# Altium PCB Power Distribution Board.PcbDoc (part 3 of 3)
Units mil, origin at the board's own origin, x right, y up, seen from the top; angles counter-clockwise.
Board outline 7086.61 x 4330.71 mil, 4 copper layers (Top Layer, L2 - GND, L3 - POWER, Bottom Layer), stack 23.756 mil thick; 250 components, 142 nets, 721 pads, 450 vias.
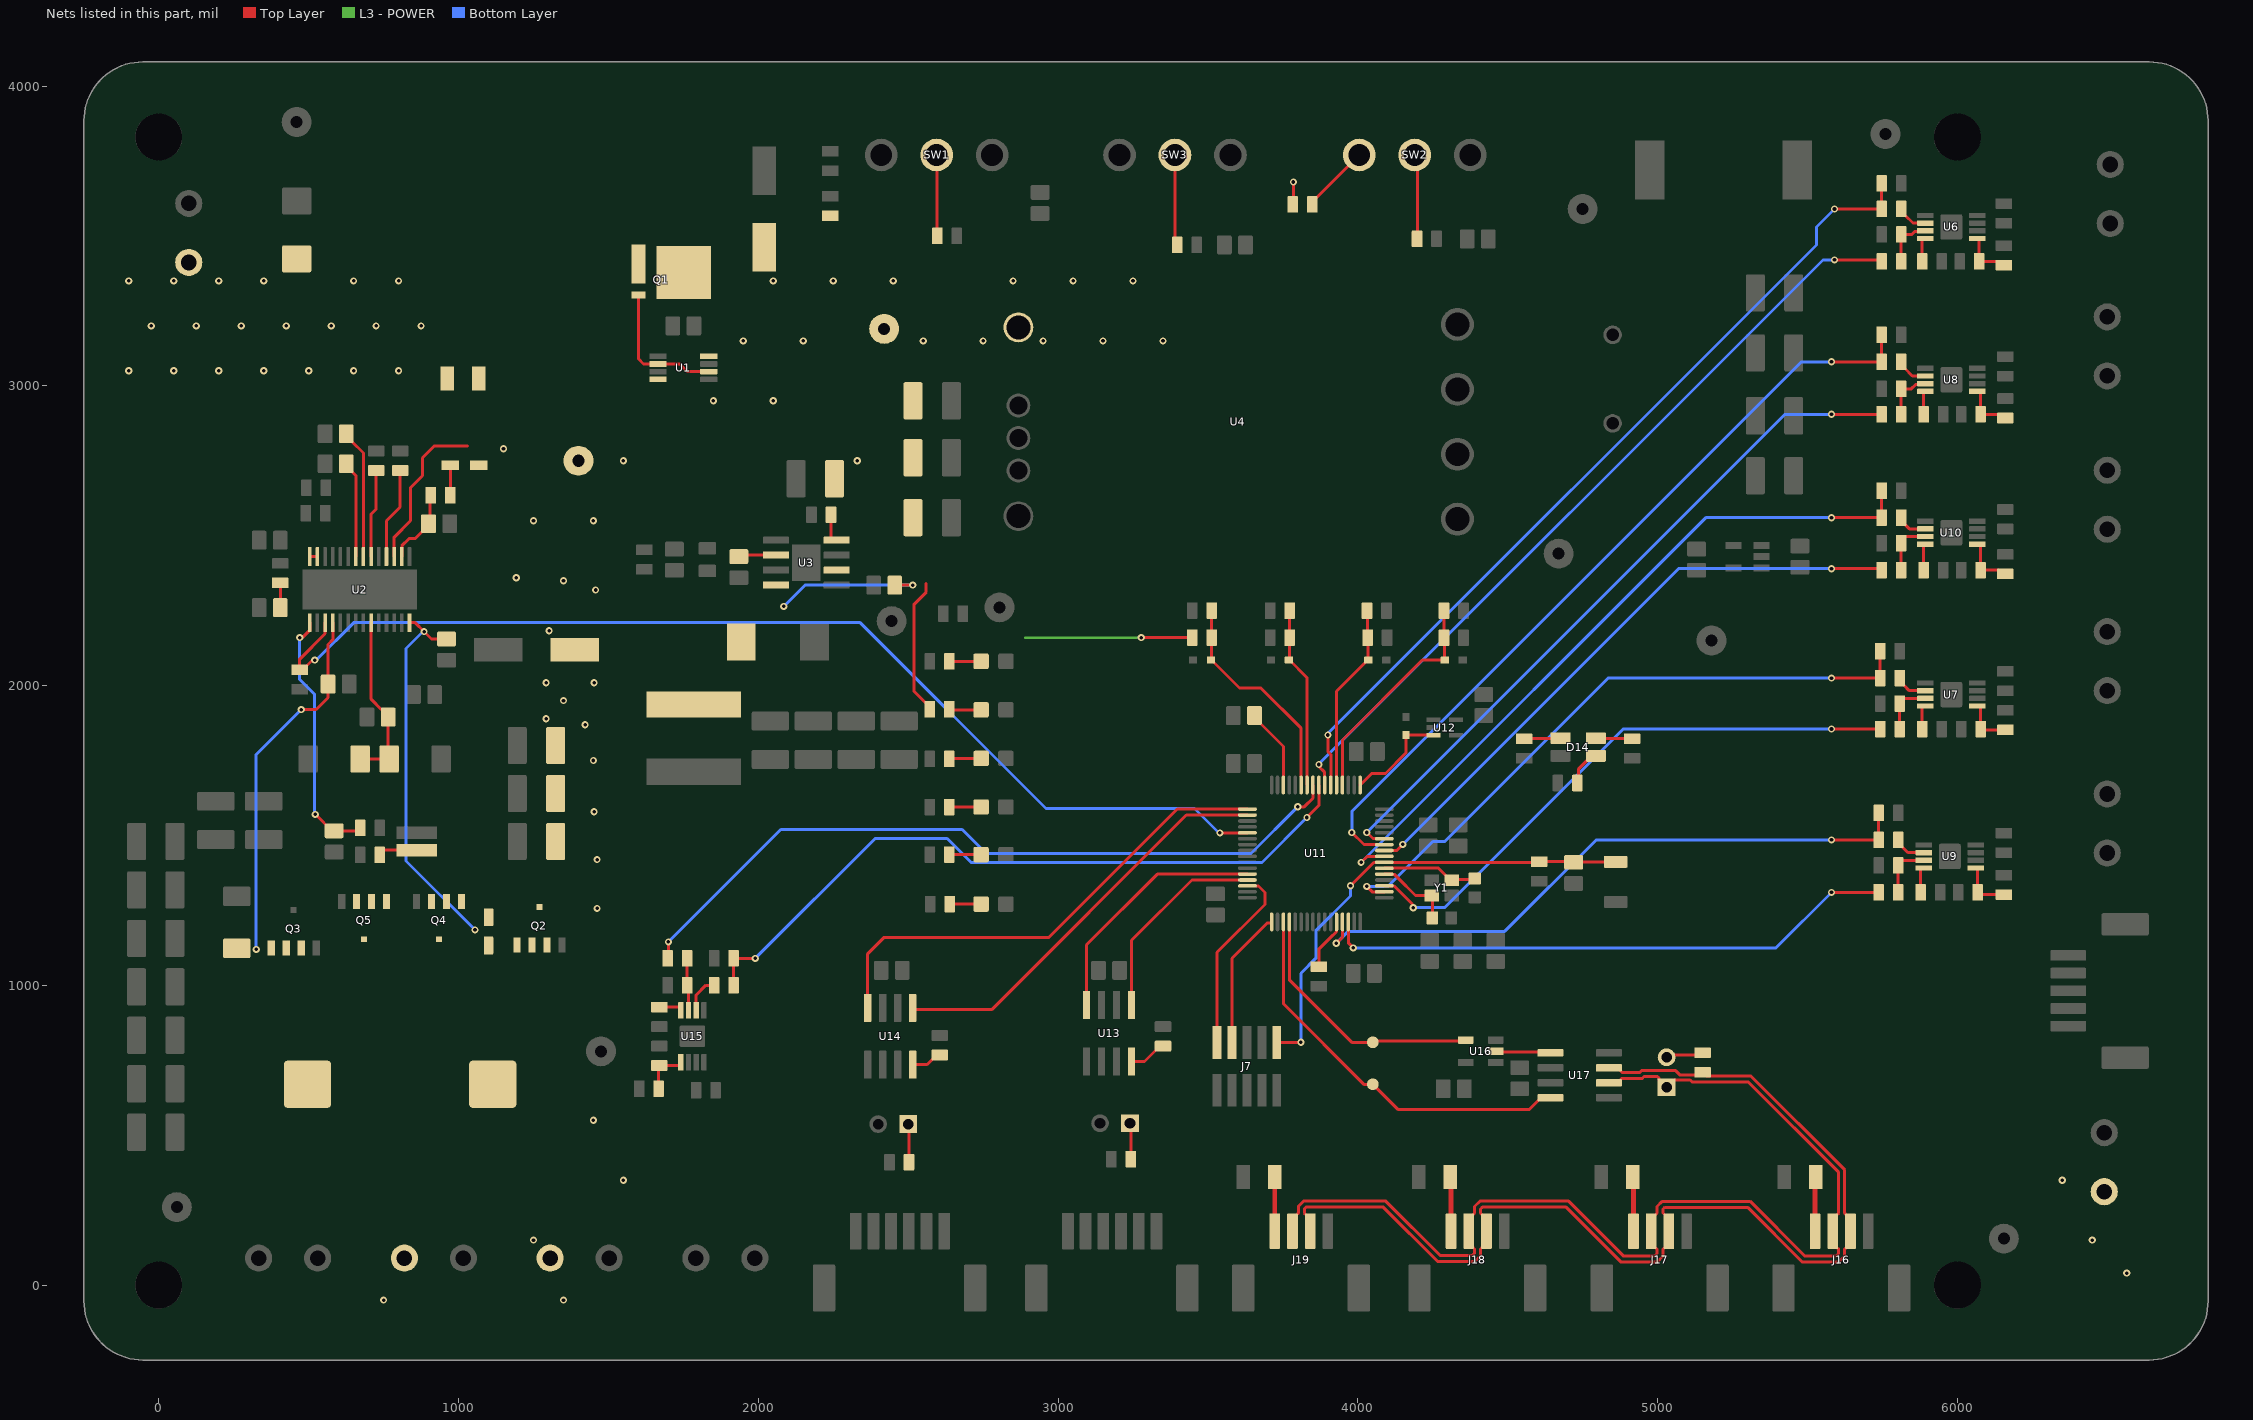
[diagram p5: the nets of this part, all layers, seen from the top]

## Via types
v1: diameter 24, hole 12, Top Layer to Bottom Layer, tented both sides, 444 vias
v2: diameter 24.8, hole 12.99, Top Layer to Bottom Layer, 6 vias

## Nets (pads, with @x,y where several pads share a name; then routed paths per layer and width w, separated by ;. In a path a pad name is that pad's centre, name@x,y a point inside that pad or via, vN(x,y) a via of type N, cw(c..) or ccw(c..) an arc to the next point about the centre after c; other vN are vias at no path point) (continued)
NetC18_2: C18.2 R14.2 U2.15 | length 853.9
  Top Layer w10: v1(470,2160) 472.68,2162.68 482.17,2162.68 503.66,2184.17 U2.15@503.66,2209.76 ; v1(521.64,1570.2) 523.15,1570.2 578.11,1515.24 C18.2@585,1515.24 R14.2@672.28,1515.24
  Bottom Layer w10: v1(470,2160) 470,2020 520,1970 520,1571.84 v1(521.64,1570.2)
NetC20_2: C20.2 D7.1 D8.1 U2.23 | length 578.3
  Top Layer w10: D8.1@671.61,1755 D7.1@768.39,1755 765.24,1758.15 C20.2@765.24,1895 765.24,1900.89 745.63,1920.5 742.29,1920.5 708.39,1954.4 U2.23@708.39,2209.76
NetC22_2: C22.2 R12.1 | length 82.6
  Top Layer w10: R12.1@405,2342.52 405.24,2342.28 C22.2@405.24,2260
NetC25_2: C25.2 U2.7 | length 433.6
  Top Layer w10: C25.2@625.24,2840 625.24,2833.11 643.84,2814.5 682.8,2775.55 U2.7@682.8,2430.24
NetC26_2: C26.2 U2.8 | length 323
  Top Layer w10: C26.2@625.24,2740 625.24,2733.11 643.84,2714.5 657.2,2701.14 U2.8@657.2,2430.24
NetC56_2: C56.2 U11.6 Y1.1 | length 321
  Top Layer w10: U11.6@4088.35,1390.79 4268.7,1390.79 4294.86,1364.63 4294.86,1364.28 4308.54,1350.59 Y1.1@4313.46,1350.59 4316.42,1353.54 4387.05,1353.54 C56.2@4390,1356.5
NetC57_2: C57.2 U11.5 Y1.3 | length 263.1
  Top Layer w10: U11.5@4088.35,1371.1 4088.69,1370.76 4115.56,1370.76 4116,1370.32 4121.77,1370.32 4132.84,1359.25 4192.68,1299.41 Y1.3@4246.54,1299.41 4248.5,1297.44 C57.2@4248.5,1225
NetC59_2: C59.2 U11.30 | length 271.6
  Top Layer w10: C59.2@3655.24,1900 3655.24,1893.11 3751.73,1796.61 U11.30@3751.73,1668.35
NetD2_1: D2.1 R1.1 | length 107
  Top Layer w10: R1.1@2637.03,1921 2639.03,1919 D2.1@2743.21,1919
NetD3_2: D3.2 R5.2 | length 100.1
  Top Layer w10: R5.2@972.48,2635 972.48,2734.72 D3.2@972.76,2735
NetD5_1: D5.1 R3.1 | length 106.9
  Top Layer w10: R3.1@2637.03,1755.15 2638.88,1757 D5.1@2743.21,1757
NetD10_1: D10.1 R16.1 | length 106.3
  Top Layer w10: R16.1@2637.03,1594.72 2637.3,1595 D10.1@2743.21,1595
NetD11_1: D11.1 R22.1 | length 106.2
  Top Layer w10: R22.1@2637.03,1436 D11.1@2743.21,1436
NetD12_1: D12.1 R25.1 | length 106.2
  Top Layer w10: R25.1@2637.03,2081 D12.1@2743.21,2081
NetD13_1: D13.1 R26.1 | length 104.7
  Top Layer w10: R26.1@2638.52,1271 D13.1@2743.21,1271
NetD14_1: D14.1 R68.2 | length 121.8
  Top Layer w10: R68.2@4555,1822.48 4556.02,1823.5 4674.92,1823.5 D14.1@4675.94,1824.53
NetD14_2: D14.2 R69.1 | length 121.8
  Top Layer w10: D14.2@4794.06,1824.53 4795.08,1823.5 4913.98,1823.5 R69.1@4915,1822.48
NetD14_3: D14.3 R67.1 | length 124
  Top Layer w10: R67.1@4732.48,1675 4735.36,1677.88 4735.36,1720.56 4780.28,1765.47 D14.3@4794.06,1765.47
NetD16_1: D16.1 R85.1 R88.2 U11.20 | length 768.1
  Top Layer w10: U11.20@3948.58,1668.35 3948.58,1818.58 4215,2085 D16.1@4290.08,2085 4288.8,2086.28 4288.8,2158.72 R85.1@4287.52,2160 R88.2@4287.52,2250
NetD17_1: D17.1 R84.1 R89.2 U11.21 | length 618.7
  Top Layer w10: U11.21@3928.9,1668.35 3928.9,1980.79 4033.11,2085 D17.1@4035.08,2085 4033.8,2086.28 4033.8,2158.72 R84.1@4032.52,2160 4031.52,2161 4031.52,2239 R89.2@4030.51,2240
NetD18_1: D18.1 R86.1 R90.2 U11.26 | length 608.9
  Top Layer w10: R90.2@3772.48,2250 R86.1@3772.48,2160 3771.2,2158.72 3771.2,2086.28 D18.1@3769.92,2085 3771.89,2085 3830,2026.89 3830,1718.43 3830.47,1717.96 U11.26@3830.47,1668.35
NetD19_1: D19.1 R87.1 R91.2 U11.27 | length 721.7
  Top Layer w10: R91.2@3512.48,2250 R87.1@3512.48,2160 3511.2,2158.72 3511.2,2086.28 D19.1@3509.92,2085 3511.89,2085 3605.09,1991.8 3676.45,1991.8 3810.79,1857.47 U11.27@3810.79,1696.89
NetF1_2: F1.2 Q1.1 U1.4
NetF2_1: F2.1 J16.1 | length 181.2
  Top Layer w10: F2.1@5525.31,357.82 F2.1@5527.5,360
  Top Layer w16: J16.1@5525.31,179.75 F2.1@5525.31,357.82
NetF3_1: F3.1 J17.1 | length 181.1
  Top Layer w10: F3.1@4917.5,360 F3.1@4919.49,358.01
  Top Layer w16: J17.1@4919.49,179.75 F3.1@4919.49,358.01
NetF4_1: F4.1 J18.1 | length 181.4
  Top Layer w10: F4.1@4307.5,360 F4.1@4310.94,356.56
  Top Layer w16: J18.1@4310.94,180 F4.1@4310.94,356.56
NetF5_1: F5.1 J19.1 | length 184
  Top Layer w10: F5.1@3722.83,350.33 F5.1@3732.5,360
  Top Layer w16: J19.1@3722.83,180 F5.1@3722.83,350.33
NetH1_1: H1.1 R72.2 | length 121
  Top Layer w10: H1.1@3240,540 3242.48,537.52 R72.2@3242.48,420
NetH2_1: H2.1 R74.2 | length 128.2
  Top Layer w10: H2.1@2499.76,537.09 2502.48,534.37 R74.2@2502.48,410
NetH3_2: H3.2 R92.2 | length 126.4
  Top Layer w10: H3.2@5030,760 5037.74,767.74 5142.26,767.74 R92.2@5150,775.47
NetQ1_4: Q1.4 U1.2 U1.6 | length 464.9
  Top Layer w10: Q1.4@1600.75,3302.83 1600.75,3089.25 1617.2,3072.8 1738.28,3072.8 1763.87,3047.2 U1.6@1834.65,3047.2
NetR9_1: R9.1 SW1.2 | length 271.1
  Top Layer w10: SW1.2@2594.96,3770 2596.24,3768.72 2596.24,3501.28 R9.1@2597.52,3500
NetR11_1: R11.1 U2.17 U11.37 | length 3733.8
  Top Layer w10: v1(520,2085) 517.32,2082.32 509.68,2082.32 479.84,2052.48 R11.1@470,2052.48 ; U2.17@554.84,2209.76 554.75,2209.67 554.75,2172.94 470,2088.2 R11.1@470,2062.32 ; v1(3539.73,1508.55) 3631.31,1508.55 U11.37@3631.65,1508.9 ; R11.1@470,2052.48 R11.1@470,2062.32 ; R11.1@470,2052.48 460.16,2052.48 R11.1@470,2062.32
  Bottom Layer w10: v1(520,2085) 525,2085 650,2210 2340,2210 2960,1590 3455,1590 3536.45,1508.55 v1(3539.73,1508.55)
NetR13_2: R13.2 U2.4 | length 306.1
  Top Layer w10: U2.4@759.57,2430.24 759.57,2549.57 805,2595 R13.2@805,2717.52
NetR15_2: R15.2 U2.6 | length 294.2
  Top Layer w10: U2.6@708.39,2430.24 708.39,2572.41 725,2589.03 R15.2@725,2717.52
NetR20_1: R20.1 SW2.3 | length 228
  Top Layer w10: R20.1@3843.72,3608.76 SW2.3@4004.96,3770
NetR21_1: R21.1 SW2.2 | length 277.3
  Top Layer w10: SW2.2@4190,3770 4198.76,3761.24 R21.1@4198.76,3508.76 ; R21.1@4198.76,3498.76 R21.1@4207.52,3490
NetR23_1: R23.1 SW3.2 | length 303.1
  Top Layer w10: SW3.2@3390,3770 3390,3477.52 R23.1@3397.52,3470
NetR28_1: R28.1 R37.2 U6.5 | length 168.5
  Top Layer w10: U6.5@6066.61,3491.61 6069.62,3491.61 6072.48,3488.76 R37.2@6072.48,3415 6132.68,3415 6145.16,3402.52 R28.1@6155,3402.52
NetR29_1: R29.1 R33.1 U6.3 | length 176
  Top Layer w10: R33.1@5812.48,3415 R29.1@5812.48,3505 5848.2,3505 5857.67,3514.47 5890.65,3514.47 U6.3@5893.39,3517.2
NetR31_1: R31.1 R39.2 U7.5 | length 169.4
  Top Layer w10: U7.5@6066.61,1931.61 6074.62,1931.61 6077.48,1928.76 R39.2@6077.48,1855 6079.96,1852.52 R31.1@6160,1852.52
NetR32_1: R32.1 R34.1 U7.3 | length 181.2
  Top Layer w10: R34.1@5807.48,1855 R32.1@5807.48,1940 5807.48,1945.49 5819.2,1957.2 U7.3@5893.39,1957.2
NetR33_2: R33.2 U11.23 | length 2654.1
  Top Layer w10: v1(3870,1736.57) 3870.78,1735.78 3870.78,1729.41 3889.53,1710.66 U11.23@3889.53,1668.35 ; v1(5590,3420) 5742.52,3420 R33.2@5747.52,3415
  Bottom Layer w10: v1(3870,1736.57) 3870,1738.18 5551.82,3420 v1(5590,3420)
NetR34_2: R34.2 U11.3 | length 1934.8
  Top Layer w10: U11.3@4088.35,1331.73 4088.69,1331.39 4121.33,1331.39 4182.32,1270.4 4182.32,1261.54 v1(4185,1258.86) ; v1@5583.79,1850 5588.79,1855 R34.2@5742.52,1855
  Bottom Layer w10: v1(4185,1258.86) 4288.86,1258.86 4885,1855 v1(5580,1855)
NetR35_1: R35.1 R41.2 U11.22 | length 2868.7
  Top Layer w10: v1(3900,1835) 3900,1780 3910,1770 3910,1696 3909.56,1695.56 3909.56,1668.69 U11.22@3909.21,1668.35 ; v1(5590,3590) R35.1@5747.52,3590 R41.2@5747.52,3675
  Bottom Layer w10: v1(3900,1835) 3900,1840 5530,3470 5530,3530 v1(5590,3590)
NetR35_2: R35.2 U6.2 | length 106.2
  Top Layer w10: R35.2@5812.48,3590 5812.48,3580.16 5825.2,3567.44 5827.22,3567.44 5851.86,3542.8 U6.2@5893.39,3542.8
NetR36_1: R36.1 R42.2 U11.2 | length 2156.2
  Top Layer w10: v1(4030,1330) 4047.95,1312.05 U11.2@4088.35,1312.05 ; v1(5580,2025) R36.1@5742.52,2025 5742.52,2030 R42.2@5742.52,2115
  Bottom Layer w10: v1(4030,1330) 4100,1330 4250,1480 4290,1480 4835,2025 v1(5580,2025)
NetR36_2: R36.2 U7.2 | length 109.2
  Top Layer w10: R36.2@5807.48,2025 5807.48,2015.16 5820.2,2002.44 5839.84,1982.8 U7.2@5893.39,1982.8
NetR38_2: R38.2 U6.4 | length 85.8
  Top Layer w10: R38.2@5882.52,3415 5882.52,3488.76 5885.38,3491.61 U6.4@5893.39,3491.61
NetR40_2: R40.2 U7.4 | length 85.8
  Top Layer w10: R40.2@5882.52,1855 5882.52,1928.76 5885.38,1931.61 U7.4@5893.39,1931.61
NetR44_1: R44.1 R53.2 U8.5 | length 173.5
  Top Layer w10: U8.5@6066.61,2981.61 6074.62,2981.61 6077.48,2978.76 R53.2@6077.48,2905 6137.68,2905 6150.16,2892.52 R44.1@6160,2892.52
NetR45_1: R45.1 R49.1 U8.3 | length 173
  Top Layer w10: R49.1@5812.48,2905 R45.1@5812.48,2990 5846.33,2990 5860.81,3004.47 5890.65,3004.47 U8.3@5893.39,3007.2
NetR47_1: R47.1 R55.2 U9.5 | length 176.4
  Top Layer w10: U9.5@6061.61,1391.61 6064.62,1391.61 6067.48,1388.76 R55.2@6067.48,1310 6074.96,1302.52 R47.1@6155,1302.52
NetR48_1: R48.1 R50.1 U9.3 | length 186.2
  Top Layer w10: R50.1@5802.48,1310 R48.1@5802.48,1400 5802.48,1405.49 5814.2,1417.2 U9.3@5888.39,1417.2
NetR49_2: R49.2 U11.11 | length 2371.4
  Top Layer w10: v1(4030,1510) 4050.44,1489.56 4088,1489.56 U11.11@4088.35,1489.21 ; v1@5575,2905 v1(5580,2905) 5737.52,2905 5742.52,2900 R49.2@5747.52,2905
  Bottom Layer w10: v1(4030,1510) 5425,2905 v1(5580,2905)
NetR50_2: R50.2 U11.62 | length 1922.7
  Top Layer w10: U11.62@3968.27,1211.65 3968.27,1141.73 v1(3985,1125) ; v1(5580,1310) R50.2@5737.52,1310
  Bottom Layer w10: v1(3985,1125) 5395,1125 v1(5580,1310)
NetR51_1: R51.1 R57.2 U11.10 | length 2674
  Top Layer w10: v1(3980,1510) 4020.47,1469.53 U11.10@4088.35,1469.53 ; v1(5580,3080) R51.1@5747.52,3080 R57.2@5747.52,3170
  Bottom Layer w10: v1(3980,1510) 3980,1580 5480,3080 v1(5580,3080)
NetR51_2: R51.2 U8.2 | length 106.2
  Top Layer w10: R51.2@5812.48,3080 5812.48,3070.16 5825.2,3057.44 5849.84,3032.8 U8.2@5893.39,3032.8
NetR52_1: R52.1 R58.2 U11.61 | length 2129.5
  Top Layer w10: v1(3927.93,1140.16) 3948.58,1160.81 U11.61@3948.58,1211.65 ; v1(5580,1485) R52.1@5737.52,1485 R58.2@5737.52,1575 R58.2@5732.52,1570
  Bottom Layer w10: v1(3927.93,1140.16) 3967.77,1180 4490,1180 4795,1485 v1(5580,1485)
NetR52_2: R52.2 U9.2 | length 109.2
  Top Layer w10: R52.2@5802.48,1485 5802.48,1475.16 5834.84,1442.8 U9.2@5888.39,1442.8
NetR54_2: R54.2 U8.4 | length 80.8
  Top Layer w10: R54.2@5887.52,2905 5887.52,2978.76 5890.38,2981.61 U8.4@5893.39,2981.61
NetR56_2: R56.2 U9.4 | length 90.8
  Top Layer w10: R56.2@5877.52,1310 5877.52,1388.76 5880.38,1391.61 U9.4@5888.39,1391.61
NetR60_1: R60.1 R64.2 U10.5 | length 183.5
  Top Layer w10: U10.5@6066.61,2471.61 6074.62,2471.61 6077.48,2468.76 R64.2@6077.48,2385 6137.68,2385 6150.16,2372.52 R60.1@6160,2372.52
NetR61_1: R61.1 R62.1 U10.3 | length 185.9
  Top Layer w10: R62.1@5812.48,2385 R61.1@5812.48,2475 5812.48,2484.84 5824.84,2497.2 U10.3@5893.39,2497.2
NetR62_2: R62.2 U11.9 | length 2050.7
  Top Layer w10: U11.9@4088.35,1449.84 4129.84,1449.84 v1(4150,1470) ; v1(5580,2390) 5742.52,2390 R62.2@5747.52,2385
  Bottom Layer w10: v1(4150,1470) 5070,2390 v1(5580,2390)
NetR63_1: R63.1 R66.2 U11.8 | length 2388.9
  Top Layer w10: v1(4010.82,1410) 4030.98,1430.16 U11.8@4088.35,1430.16 ; v1(5580,2560) R63.1@5747.52,2560 R66.2@5747.52,2650
  Bottom Layer w10: v1(4010.82,1410) 5160.82,2560 v1(5580,2560)
NetR63_2: R63.2 U10.2 | length 102.1
  Top Layer w10: R63.2@5812.48,2560 5812.48,2550.16 5839.84,2522.8 U10.2@5893.39,2522.8
NetR65_2: R65.2 U10.4 | length 90.8
  Top Layer w10: R65.2@5887.52,2385 5887.52,2468.76 5890.38,2471.61 U10.4@5893.39,2471.61
NetR70_1: R70.1 U11.60 | length 173.8
  Top Layer w10: R70.1@3870,1062.48 3870,1120.41 3916.75,1167.16 3917.04,1167.16 3926.89,1177 3927,1177 3928.9,1178.9 U11.60@3928.9,1211.65
NetR73_2: R73.2 U13.8 | length 126.5
  Top Layer w10: U13.8@3245,745.51 3288.15,745.51 3340.16,797.52 R73.2@3350,797.52
NetR75_2: R75.2 U14.8 | length 103.3
  Top Layer w10: U14.8@2515,735.51 2563.15,735.51 2595.16,767.52 R75.2@2605,767.52
NetR77_1: R77.1 R81.2 U15.5 | length 159.4
  Top Layer w10: R77.1@1667.48,655 1667.48,730 R81.2@1670,732.52 1738.76,732.52 1741.61,735.38 U15.5@1741.61,743.39
NetR78_1: R78.1 R79.1 U15.3 | length 178
  Top Layer w10: R79.1@1762.48,1090 R78.1@1762.48,1000 1767.2,995.28 U15.3@1767.2,916.61 U15.3@1765.33,918.49
NetR79_2: R79.2 U11.25 | length 2514.9
  Top Layer w10: R79.2@1697.52,1090 1700,1092.48 v1(1700,1145) ; v1(3799.29,1595.5) 3821.14,1595.5 3850.16,1624.52 U11.25@3850.16,1668.35
  Bottom Layer w10: v1(1700,1145) 2075,1520 2680,1520 2760,1440 3643.79,1440 v1(3799.29,1595.5)
NetR80_1: R80.1 R83.2 U11.24 | length 2388.3
  Top Layer w10: R80.1@1917.48,1000 R83.2@1917.48,1090 v1(1990,1090) ; v1(3830,1560) 3869.84,1599.84 U11.24@3869.84,1668.35
  Bottom Layer w10: v1(1990,1090) 2390,1490 2630,1490 2710,1410 3680,1410 v1(3830,1560)
NetR80_2: R80.2 U15.2 | length 124.2
  Top Layer w10: U15.2@1792.8,916.61 1792.8,967.8 1825,1000 R80.2@1852.52,1000
NetR82_2: R82.2 U15.4 | length 80.8
  Top Layer w10: R82.2@1670,927.48 1738.76,927.48 1741.61,924.62 U15.4@1741.61,916.61
NetTP13_1: TP13.1 U11.52 U16.4 | length 842.2
  Top Layer w10: U11.52@3771.42,1183.11 3771.42,1018.58 3908.28,881.72 3980,810 TP13.1@4050,810 4053.7,813.7 4355.94,813.7 U16.4@4359.65,817.4
NetTP14_1: TP14.1 U11.51 U17.4 | length 1298.6
  Top Layer w10: U11.51@3751.73,1183.11 3751.73,938.27 4020,670 TP14.1@4050,670 4135,585 4571.06,585 4605.25,619.19 4611.06,625 U17.4@4642.56,625
NetU2_13: U2.13 U2.14 | length 25.6
  Top Layer w10: U2.14@503.66,2430.24 U2.13@529.25,2430.24
NetU11_33: U11.33 U14.4 | length 1647
  Top Layer w10: U14.4@2365,924.49 2365,1105 2420,1160 2970,1160 3397.86,1587.86 U11.33@3631.43,1587.86
NetU11_34: U11.34 U14.1 | length 1386.9
  Top Layer w10: U14.1@2515,924.49 2519.49,920 2780,920 3427.95,1567.95 U11.34@3631.65,1567.95
NetU11_44: U11.44 U13.4 | length 834.9
  Top Layer w10: U13.4@3095,934.49 3095,1135 3331,1371 U11.44@3631.65,1371
NetU11_45: U11.45 U13.1 | length 657
  Top Layer w10: U13.1@3245,934.49 3245,1150 3446.42,1351.42 U11.45@3603.11,1351.42
NetU16_2: U16.2 U17.1 | length 184.3
  Top Layer w10: U16.2@4460.35,780 4462.85,777.5 4640.06,777.5 U17.1@4642.56,775
NRST: C58.2 J7.10 R71.1 S1.2 U11.7 | length 1590.1
  Top Layer w10: J7.10@3730,810 v1(3810,810) ; v1(3975.67,1332.39) 4053.41,1410.13 4088,1410.13 U11.7@4088.35,1410.47 4602.99,1410.47 R71.1@4605,1412.48 4717.76,1412.48 C58.2@4720,1410.24 4721.69,1411.93 S1.2@4860,1411.93
  Bottom Layer w10: v1(3810,810) 3810,1040 3860,1090 3860,1182.09 3975.67,1297.76 v1(3975.67,1332.39)
RCS: D6.1 Q4.2 Q5.2 R8.2 R10.1 | length 125.1
  Top Layer w10: R10.1@737.48,1445 743.82,1451.34 R8.2@860,1451.34
RS-485_N: J16.3 J17.3 J18.3 J19.3 R92.1 U17.7 | length 3736.7
  Top Layer w10: J19.3@3840.94,180 3840.94,221.34 3828.23,234.06 3827.28,234.06 3821.42,239.91 3821.42,254.07 3827.34,260 4085,260 4265.86,79.14 4391.01,79.14 4409.53,97.66 4409.53,120.09 4415.39,125.94 4416.34,125.94 4429.06,138.66 J18.3@4429.06,180 4429.06,221.34 4416.34,234.06 4415.39,234.06 4409.53,239.91 4409.53,254.07 4415.46,260 4695,260 4878.36,76.64 4997.3,76.64 5018.07,97.42 5018.07,119.84 5023.93,125.7 5024.88,125.7 5037.6,138.42 J17.3@5037.6,179.75 5037.6,221.09 5018.07,240.62 5018.07,253.64 5023.93,259.5 5300.5,259.5 5483.36,76.64 5603.12,76.64 5623.9,97.42 5623.9,119.84 5629.76,125.7 5630.71,125.7 5643.43,138.42 J16.3@5643.43,179.75 5643.43,221.09 5630.71,233.81 5629.76,233.81 5623.9,239.67 5623.9,384.39 5311.28,697 5178.42,697 5177.62,697.8 5162.72,697.8 R92.1@5150,710.51 5139.94,700.45 5075.18,700.45 5060.16,715.47 4946.58,715.47 4941.11,710 4881.61,710 4875.75,715.86 4875.75,718.19 4868.94,725 U17.7@4837.44,725
RS-485_P: H3.1 J16.2 J17.2 J18.2 J19.2 U17.6 | length 3719.1
  Top Layer w10: J19.2@3781.89,180 3781.89,221.34 3794.61,234.06 3795.56,234.06 3801.42,239.91 3801.42,262.36 3819.06,280 4093.28,280 4274.14,99.14 4382.72,99.14 4389.53,105.94 4389.53,120.09 4383.67,125.94 4382.72,125.94 4370,138.66 J18.2@4370,180 4370,221.34 4382.72,234.06 4383.67,234.06 4389.53,239.91 4389.53,262.36 4407.17,280 4703.28,280 4886.64,96.64 4989.01,96.64 4998.07,105.7 4998.07,119.84 4992.21,125.7 4991.26,125.7 4978.54,138.42 J17.2@4978.54,179.75 4978.54,221.09 4991.26,233.81 4992.21,233.81 4998.07,239.67 4998.07,261.93 5015.64,279.5 5308.78,279.5 5491.64,96.64 5594.84,96.64 5603.9,105.7 5603.9,119.84 5598.04,125.7 5597.09,125.7 5584.37,138.42 J16.2@5584.37,179.75 5584.37,221.09 5597.09,233.81 5598.04,233.81 5603.9,239.67 5603.9,376.1 5303,677 5116.09,677 5108.57,684.53 5054.53,684.53 H3.1@5030,660 5005.47,684.53 5005.47,689.61 4999.61,695.47 4954.87,695.47 4949.39,690 4881.61,690 4875.75,684.14 4875.75,681.81 4868.94,675 U17.6@4837.44,675
RT/SYNC: R18.2 U3.4 | length 99.5
  Top Layer w10: R18.2@2242.48,2570 2242.48,2491.81 2249.29,2485 U3.4@2261,2485
SS: C34.2 U3.6 | length 126
  Top Layer w10: C34.2@1935,2430.24 1939.76,2435 U3.6@2059,2435
SW: C27.1 D9.2 L2.1 U3.8 | length 519.2
  Top Layer w10: C27.1@2455.24,2335 v1(2515,2335)
  Bottom Layer w10: v1(2085,2264) 2156,2335 v1(2515,2335)
SW1: C23.1 D6.2 L1.2 Q2.2 Q4.1 U2.28 | length 1263.4
  Top Layer w10: U2.28@836.34,2209.76 855.24,2209.76 v1(885,2180) 909.76,2155.24 C23.1@960,2155.24
  Bottom Layer w10: v1(885,2180) 881.58,2180 825,2123.42 825,1415 v1(1055,1185)
SW2: C24.1 D4.1 L1.1 Q3.2 Q5.1 U2.18 | length 1224.9
  Top Layer w10: v1(475,1920) 525,1920 564.76,1959.76 C24.1@564.76,2005 564.76,2136.98 580.43,2152.65 U2.18@580.43,2209.76
  Bottom Layer w10: v1(325,1120) 325,1770 v1(475,1920)
SWD_CLK: J7.4 U11.49 | length 464.8
  Top Layer w10: J7.4@3580,810 3580,1090 3697.31,1207.31 3711.53,1207.31 3712.36,1208.15 U11.49@3712.36,1211.65
SWD_IO: J7.2 U11.46 | length 605.1
  Top Layer w10: J7.2@3530,810 3530,1110 3690,1270 3690,1310 3668.27,1331.73 U11.46@3660.2,1331.73
TEMPERATURE_ADC_INPUT: D15.1 U11.17 U12.3 | length 349.1
  Top Layer w10: U11.17@4007.64,1668.35 4046.31,1707.01 4092.01,1707.01 4160,1775 D15.1@4160,1835.08 4160.33,1834.74 4251.87,1834.74 U12.3@4252.2,1834.41
VBAT: D1.2 F1.1 J1.2
  other v1: -100,3050 50,3050 200,3050 350,3050 500,3050 650,3050 800,3050 -25,3200 125,3200 275,3200 425,3200 575,3200 725,3200 875,3200 -100,3350 50,3350 200,3350 350,3350 650,3350 800,3350
VBAT_FUSED: C1.1 C6.1 C7.2 C8.2 C9.2 C29.1 C37.2 C38.2 C39.2 D3.1 J2.1 J3.1 J4.1 Q1.8 Q2.1 R1.2 R4.2 R20.2 R87.2 TP1.1 TP6.1 U1.8 U2.3 U3.2 U4.A | length 1628
  Top Layer w10: U2.3@785.16,2430.24 785.16,2495.16 840,2550 840,2660 880,2700 880,2760 920,2800 1030,2800 ; 2560,2340 2560,2311.63 2520,2271.63 2520,1980 2556.44,1943.56 2559.35,1943.56 2572.07,1930.84 R1.2@2572.07,1921 ; v1(3277.57,2160) R87.2@3447.52,2160 ; R20.2@3782.52,3605 3785,3607.48 v1(3785,3680)
  L3 - POWER w8: 2890,2160 v1(3277.57,2160)
  other v1: 750,-50 1350,-50 6565,40 1250,150 6450,150 1550,350 6350,350 1450,550 1462.01,1256.66 1462.13,1419.38 1452.13,1579.38 1450,1750 1422.13,1869.38 1292.13,1889.38 1350,1950 1292.13,2009.38 1452.13,2009.38 1302.13,2183 1457.21,2318.76 1350,2350 1192.13,2359.38 1250,2550 1450,2550 1550,2750 2330,2750 1150,2790 1850,2950 2050,2950 1950,3150 2150,3150 2550,3150 2750,3150 2950,3150 3150,3150 3350,3150 2050,3350 2250,3350 2450,3350 2850,3350 3050,3350 3250,3350
VIN: C10.2 R5.1 U2.2 | length 224.7
  Top Layer w10: U2.2@810.75,2430.24 810.75,2466.01 834.74,2490 855,2490 C10.2@885,2520 ; C10.2@889.76,2550 905,2565.24 905,2632.48 R5.1@907.52,2635
pads on no net: J7.7 J7.9 MH1.0 MH2.0 MH3.0 MH4.0 SW3.3 U1.3 U1.5 U4.B U5.4 U11.4 U11.28 U11.29 U11.35 U11.36 U11.38 U11.39 U11.40 U11.41 U11.42 U11.43 U11.53 U11.54 U11.59 U13.5 U14.5 U16.1

## Polygon pours and split planes (outlines as drawn)
3V3 on Top Layer "NONET_L-01_P-001" (solid, remove dead copper, pour order 30): 2980,1180 3260,1460 3260,1950 4950,1950 4950,2410 5300,2410 5300,920 4500,920 4500,480 3520,480 2170,480 2170,1180
GND on Top Layer "Signal-GND 1" (solid, remove dead copper, pour order 45): -250,-250 -10,-250 440,-250 6840,-250 6840,4080 6280,4080 6280,420 6630,420 6630,-10 6280,-10 6280,270 3530,270 3530,469.8 2160,469.8 2160,610 1900,610 1900,-100 1660,-100 1660,200 1410,200 1410,-100 1160,-100 1160,190 910,190 910,-100 680,-100 680,390 430,390 430,-240 430,-10 -10,-10 -10,1570 570,1570 570,1480 1070,1480 1150,1400 1260,1400 1260,2220 1010,2470 1010,2950 -250,2950
5V on Top Layer "NONET_L-01_P-001" (solid, remove dead copper, pour order 37): 5310,930 4510,930 4510,490 3530,490 3530,280 6280,280 6280,4090 5180,4090 5180,3470 5400,3470 5400,2560 5310,2560 5310,2450 5380,2450 5380,2410 5310,2410
VBAT_FUSED on Top Layer "NONET_L-01_P-001" (solid, remove dead copper, pour order 4): 1792.03,2760 1792.03,2455 1510,2455 1510,1170 1150,1170 1150,1400 1260,1400 1260,2220 1010,2470 1010,2950 1730,2950 1730,3170 1640,3260 1640,3600 3460,3600 3460,3150 3370,3060 2580,3060 2580,2310 2210,2310 2210,2760
GND on Top Layer "Signal-GND" (solid, remove dead copper, pour order 46): 1950,1935 2110,2095 2110,2130 2110,2350 2010,2350 2010,2270 1790,2270 1790,2450 1790,2765 2210,2765 2210,2310 2580,2310 2580,3060 3370,3060 3460,3150 3460,3500 -250,3500 -250,4080 4510,4080 4510,3380 4110,3380 4110,3100 4430,3100 4430,2880 4120,2880 4120,2660 4700,2660 4700,3020 5180,3020 5180,3460 5400,3460 5400,2550 5310,2550 5310,2450 5380,2450 5380,2410 4950,2410 4950,1950 3260,1950 3260,1460 2980,1180 2590,1180 2590,1815 1950,1815
17V on Top Layer "NONET_L-01_P-001" (solid, remove dead copper, pour order 14): 1625,1890 1950,1890 1950,1810 2590,1810 2590,1180 2160,1180 2160,610 1830,610 1830,680 1810,700 1810,780 1760,780 1760,620 1330,620 1330,869.92 1520.2,1060 1520.2,2450 1790,2450 1790,2265 1625,2100
5V_LOAD5 on Top Layer "5V_LOAD5" (solid, remove dead copper, pour order 26): 6640,1310 6640,1530 6250,1530 6180,1460 6020,1460 6020,1430 6100,1430 6120,1410 6170,1410 6270,1310
5V_LOAD4 on Top Layer "5V_LOAD4" (solid, remove dead copper, pour order 25): 6640,1851.57 6640,2071.57 6250,2071.57 6180,2001.57 6020,2001.57 6020,1971.57 6100,1971.57 6120,1951.57 6170,1951.57 6270,1851.57
5V_LOAD3 on Top Layer "5V_LOAD3" (solid, remove dead copper, pour order 24): 6640,2390 6640,2610 6250,2610 6180,2540 6020,2540 6020,2510 6100,2510 6120,2490 6170,2490 6270,2390
5V_LOAD2 on Top Layer "5V_LOAD2" (solid, remove dead copper, pour order 23): 6640,2901.57 6640,3121.57 6250,3121.57 6180,3051.57 6020,3051.57 6020,3021.57 6100,3021.57 6120,3001.57 6170,3001.57 6270,2901.57
5V_LOAD1 on Top Layer "5V_LOAD1" (solid, remove dead copper, pour order 22): 6650,3410 6650,3630 6260,3630 6190,3560 6030,3560 6030,3530 6110,3530 6130,3510 6180,3510 6280,3410
17V_LOAD on Top Layer "NONET_L-01_P-001" (solid, remove dead copper, pour order 16): 1760,720 1660,720 1660,90 1660,-100 1900,-100 1900,610 1830,610 1830,680 1810,700 1810,780 1760,780
24V on Top Layer "NONET_L-01_P-001" (solid, remove dead copper, pour order 8): 102.19,-53.07 -10,59.12 -10,91.08 -10,390 -10,1560 610,1560 610,1160 190,1160 190,1010 310,890 310,390 430,390 430,-53.07
SW2 on Top Layer "NONET_L-01_P-001" (solid, remove dead copper, pour order 7): 810,390 810,1240 570,1240 570,1160 190,1160 190,1010 320,880 320,390
RCS on Top Layer "NONET_L-01_P-001" (solid, remove dead copper, pour order 6): 1150,1170 1100,1170 1020,1250 610,1250 610,1480 1070,1480 1150,1400
SW1 on Top Layer "NONET_L-01_P-001" (solid, remove dead copper, pour order 5): 1510,1170 1510,1050 1330,870 1330,390 810,390 810,1240 1030,1240 1100,1170
NetF1_2 on Top Layer "NONET_L-01_P-001" (solid, remove dead copper, pour order 3): 1010,2950 1730,2950 1730,3170 1640,3260 1640,3500 1010,3500
+OUT on Top Layer "NONET_L-01_P-001" (solid, remove dead copper, pour order 19): 4510,4080 4510,3380 4110,3380 4110,3100 4430,3100 4430,2880 4120,2880 4120,2660 4700,2660 4700,3020 5170,3020 5170,4080
VBAT_FUSED on Top Layer "VBAT_FUSED" (solid, remove dead copper, pour order 29): 6290,420 6290,-10 6630,-10 6630,420
VBAT_FUSED on Top Layer "NONET_L-01_P-001" (solid, remove dead copper, pour order 18): 680,379.8 680,-90 910,-90 910,190 1160,190 1160,-100 1410,-100 1410,200 1649.8,200 1649.8,619.8 1340.2,620 1340.2,380.2 1339.8,379.8
SW on Top Layer "NONET_L-01_P-001" (solid, remove dead copper, pour order 11): 2110,2097.5 1950,1937.5 1950,1890 1625,1890 1625,2100 1795,2270 2010,2270 2010,2350 2110,2350 2110,2130
VBAT on Top Layer "NONET_L-01_P-001" (solid, remove dead copper, pour order 0): -250,3500 1010,3500 1010,2950 -250,2950
VBAT on L3 - POWER "NONET_L-01_P-001" (solid, remove dead copper, pour order 42): 1030,2690 -240,2690 -250,2700 -250,4080 1030,4080
VBAT_FUSED on L3 - POWER "NONET_L-01_P-001" (solid, remove dead copper, pour order 35): 1030,4080 3840,4080 3840,2810 2920.22,2810 2920,1360 2160,1360 2160,260 6280,260 6280,480 6840,480 6840,-250 560,-250 560,1640 1030,1640
3V3 on L3 - POWER "NONET_L-01_P-001" (solid, remove dead copper, pour order 38): 5250,4080 3840,4080 3840,2810 2920.22,2810 2920,2809.78 2920,1360 2160,1360 2160,260 3520,260 3520,480 4500,480 4500,920 5780,920 5780,3640 5250,3640 5250,4080
5V on L3 - POWER "NONET_L-01_P-001" (solid, remove dead copper, pour order 28): 5780,3640 5250,3640 5250,4080 5780,4080 6840,4080 6840,480 6270,480 6270,260 3520,260 3520,480 4500,480 4500,920 5780,920
24V on L3 - POWER "NONET_L-01_P-001" (solid, remove dead copper, pour order 41): -250,2690 1030,2690 1030,1640 560,1640 560,-250 -250,-250
GND on L2 - GND "L2 - GND" (solid, remove dead copper, pour order 32): -250,4090 -250,-250 6850,-250 6850,4090
GND on Bottom Layer "L4 - GND" (solid, remove dead copper, pour order 33): -250,4090 -250,-240 6840,-240 6850,-250 6850,4090

## Keep-outs
Keep-Out Layer:
  lines w47.24: -250,-53.07 -250,3883.86 -249.92,3883.86 cw(c-53.07,3883.86) -53.07,4080.71 ; -249.92,-53.07 ccw(c-53.07,-53.07) -53.07,-249.92 -53.07,-250 6639.76,-250 6639.76,-249.92 ccw(c6639.76,-53.07) 6836.61,-53.07 ; -53.07,4080.71 6639.76,4080.71 cw(c6639.76,3883.86) 6836.61,3883.86 ; -53.07,4080.71 -53.07,4080.71 ; 6836.61,-53.07 6836.61,-53.07 ; 6836.61,-53.07 6836.61,3883.86 ; 6836.61,3883.86 6836.61,3883.86

## Other copper
Top Layer:
  pour cut-out: 2415,785 2465,785 2465,701.06 2452,688.06 2428,688.06 2415,701.06
  pour cut-out: 3145,795 3195,795 3195,711.06 3182,698.06 3158,698.06 3145,711.06
  pour cut-out: 3645,1315 3732.05,1227.95 3732.05,1172.05 3680,1120 3680,870 3690,860 3745,860 3745,595 3565,595 3565,750 3560,755 3515,755 3515,850 3520,855 3520,1190
  pour cut-out: 3195,1039.76 3195,885 3245,885 3245,1042.24 3197.48,1042.24
  pour cut-out: 3825,965 3995,795 4505,795 4505,915 4497.17,922.83 4177.17,922.83 4035,1065 3825,1065
  pour cut-out: 3732.05,1172.05 3680,1120 3680,870 3690,860 3830,860 4020,670 4050,670 4050,810 3980,810 3771.42,1018.58 3771.42,1211.65 3732.05,1211.65
  pour cut-out: 3245,1150 3215,1180 3040,1180 3427.95,1567.95 3631.65,1567.95 3631.65,1371.1 3465,1371.1 3465,1370
  pour cut-out: 780,1385 780,1570 544.98,1570 545,1385
  pour cut-out: 3810,1639.78 3629.65,1640.35 3560,1710 3560,1955 3715,1955 3810,1860
  pour cut-out: 4110,1165 4110,950 4020,950 4020,1255
  pour cut-out: 4055,1300 4055,1270 4150,1175 4150,1081.63 4191.63,1040 4560,1040 4560,1190 4220,1190 4220,1200 4120,1300
  pour cut-out: 4110,1550 4195,1635 4425,1635 4425,1190 4110,1190
  pour cut-out: 3446.42,1351.42 3285,1190 3610,1190 3690,1270 3690,1310 3648.58,1351.42

## Silkscreen, mask and mechanical layers (free items; w line width, h text height)
Top Overlay:
  drawing of 28 lines, arcs and shapes, not listed
  text "5V" at 3542,3947.89 h80
  text "24V" at 2707,3947.35 h80
  text "17V" at 4307,3947.35 h80
  text "GND" at -197.11,3684.4 h80 r270
  text "GND" at 6782.98,3662.45 h80 r90
  text "OFF" at 2359.96,3550.89 h80
  text "ON" at 2730.96,3550.89 h80
  text "OFF" at 3155,3550.89 h80
  text "ON" at 3526,3550.89 h80
  text "OFF" at 3955,3550.89 h80
  text "ON" at 4326,3550.89 h80
  text "5V" at 6782.56,3499.45 h80 r90
  text "VBAT IN" at -198,3488 h80 r270
  text "GND" at 6782.98,3154.02 h80 r90
  text "5V" at 6782.56,2991.03 h80 r90
  text "GND" at 6782.98,2642.45 h80 r90
  text "5V" at 6782.56,2479.45 h80 r90
  text "GND" at 6782.98,2104.02 h80 r90
  text "5V FAULT" at 2901.55,2062.84 h80
  text "5V" at 6782.56,1941.03 h80 r90
  text "VBAT" at 2901.55,1900.4 h80
  text "24V" at 2901.55,1738.3 h80
  text "17V" at 2901.55,1576.3 h80
  text "GND" at 6782.98,1562.45 h80 r90
  text "5V" at 2901.55,1417.84 h80
  text "5V" at 6782.56,1399.45 h80 r90
  text "3.3V" at 2901.55,1252.75 h80
  text "RESET" at 4987.07,1234 h80 r90
  text "LED MATRIX" at 6783,765.18 h80 r90
  text "POWER DISTRIBUTION BOARD / REV 2 / DECEMBER 2020 / CINDY LI" at 5340,495 h82
  text "GND" at 6782.98,442.45 h80 r90
  text "VBAT" at 6783,204.93 h80 r90
  text "24V" at 270.43,-202.22 h80
  text "GND" at 454.02,-202.11 h80
  text "VBAT" at 712.65,-202.13 h80
  text "GND" at 950.16,-202.11 h80
  text "VBAT" at 1198.79,-202.13 h80
  text "GND" at 1436.3,-202.11 h80
  text "17V" at 1730.8,-202.22 h80
  text "GND" at 1912.45,-202.11 h80
  text "CAN 2" at 2367.57,-212.11 h80
  text "CAN 1" at 3079.7,-212.11 h80
  text "US #1" at 3719.43,-212.09 h80
  text "US #2" at 4303.51,-212.09 h80
  text "US #3" at 4911.78,-212.09 h80
  text "US #4" at 5516.9,-212.09 h80
Bottom Overlay:
  drawing of 32 lines, arcs and shapes, not listed
  text "ONIGIRI" at 4187.07,-45 h600
Mechanical 1:
  lines w10: -250,-63.07 -250,3873.86 ; -249.92,-53.07 ccw(c-53.07,-53.07) -53.07,-249.92 ; -249.92,3883.86 cw(c-53.07,3883.86) -53.07,4080.71 6639.76,4080.71 cw(c6639.76,3883.86) 6836.61,3883.86 6836.61,-53.07 cw(c6639.76,-53.07) 6639.76,-249.92 ; -53.07,-250 6639.76,-250